# Allegro board RK_NVR_DEMO_RK3568_DDR4P216SD4_V12_20201221YWQ_final.brd (continued)
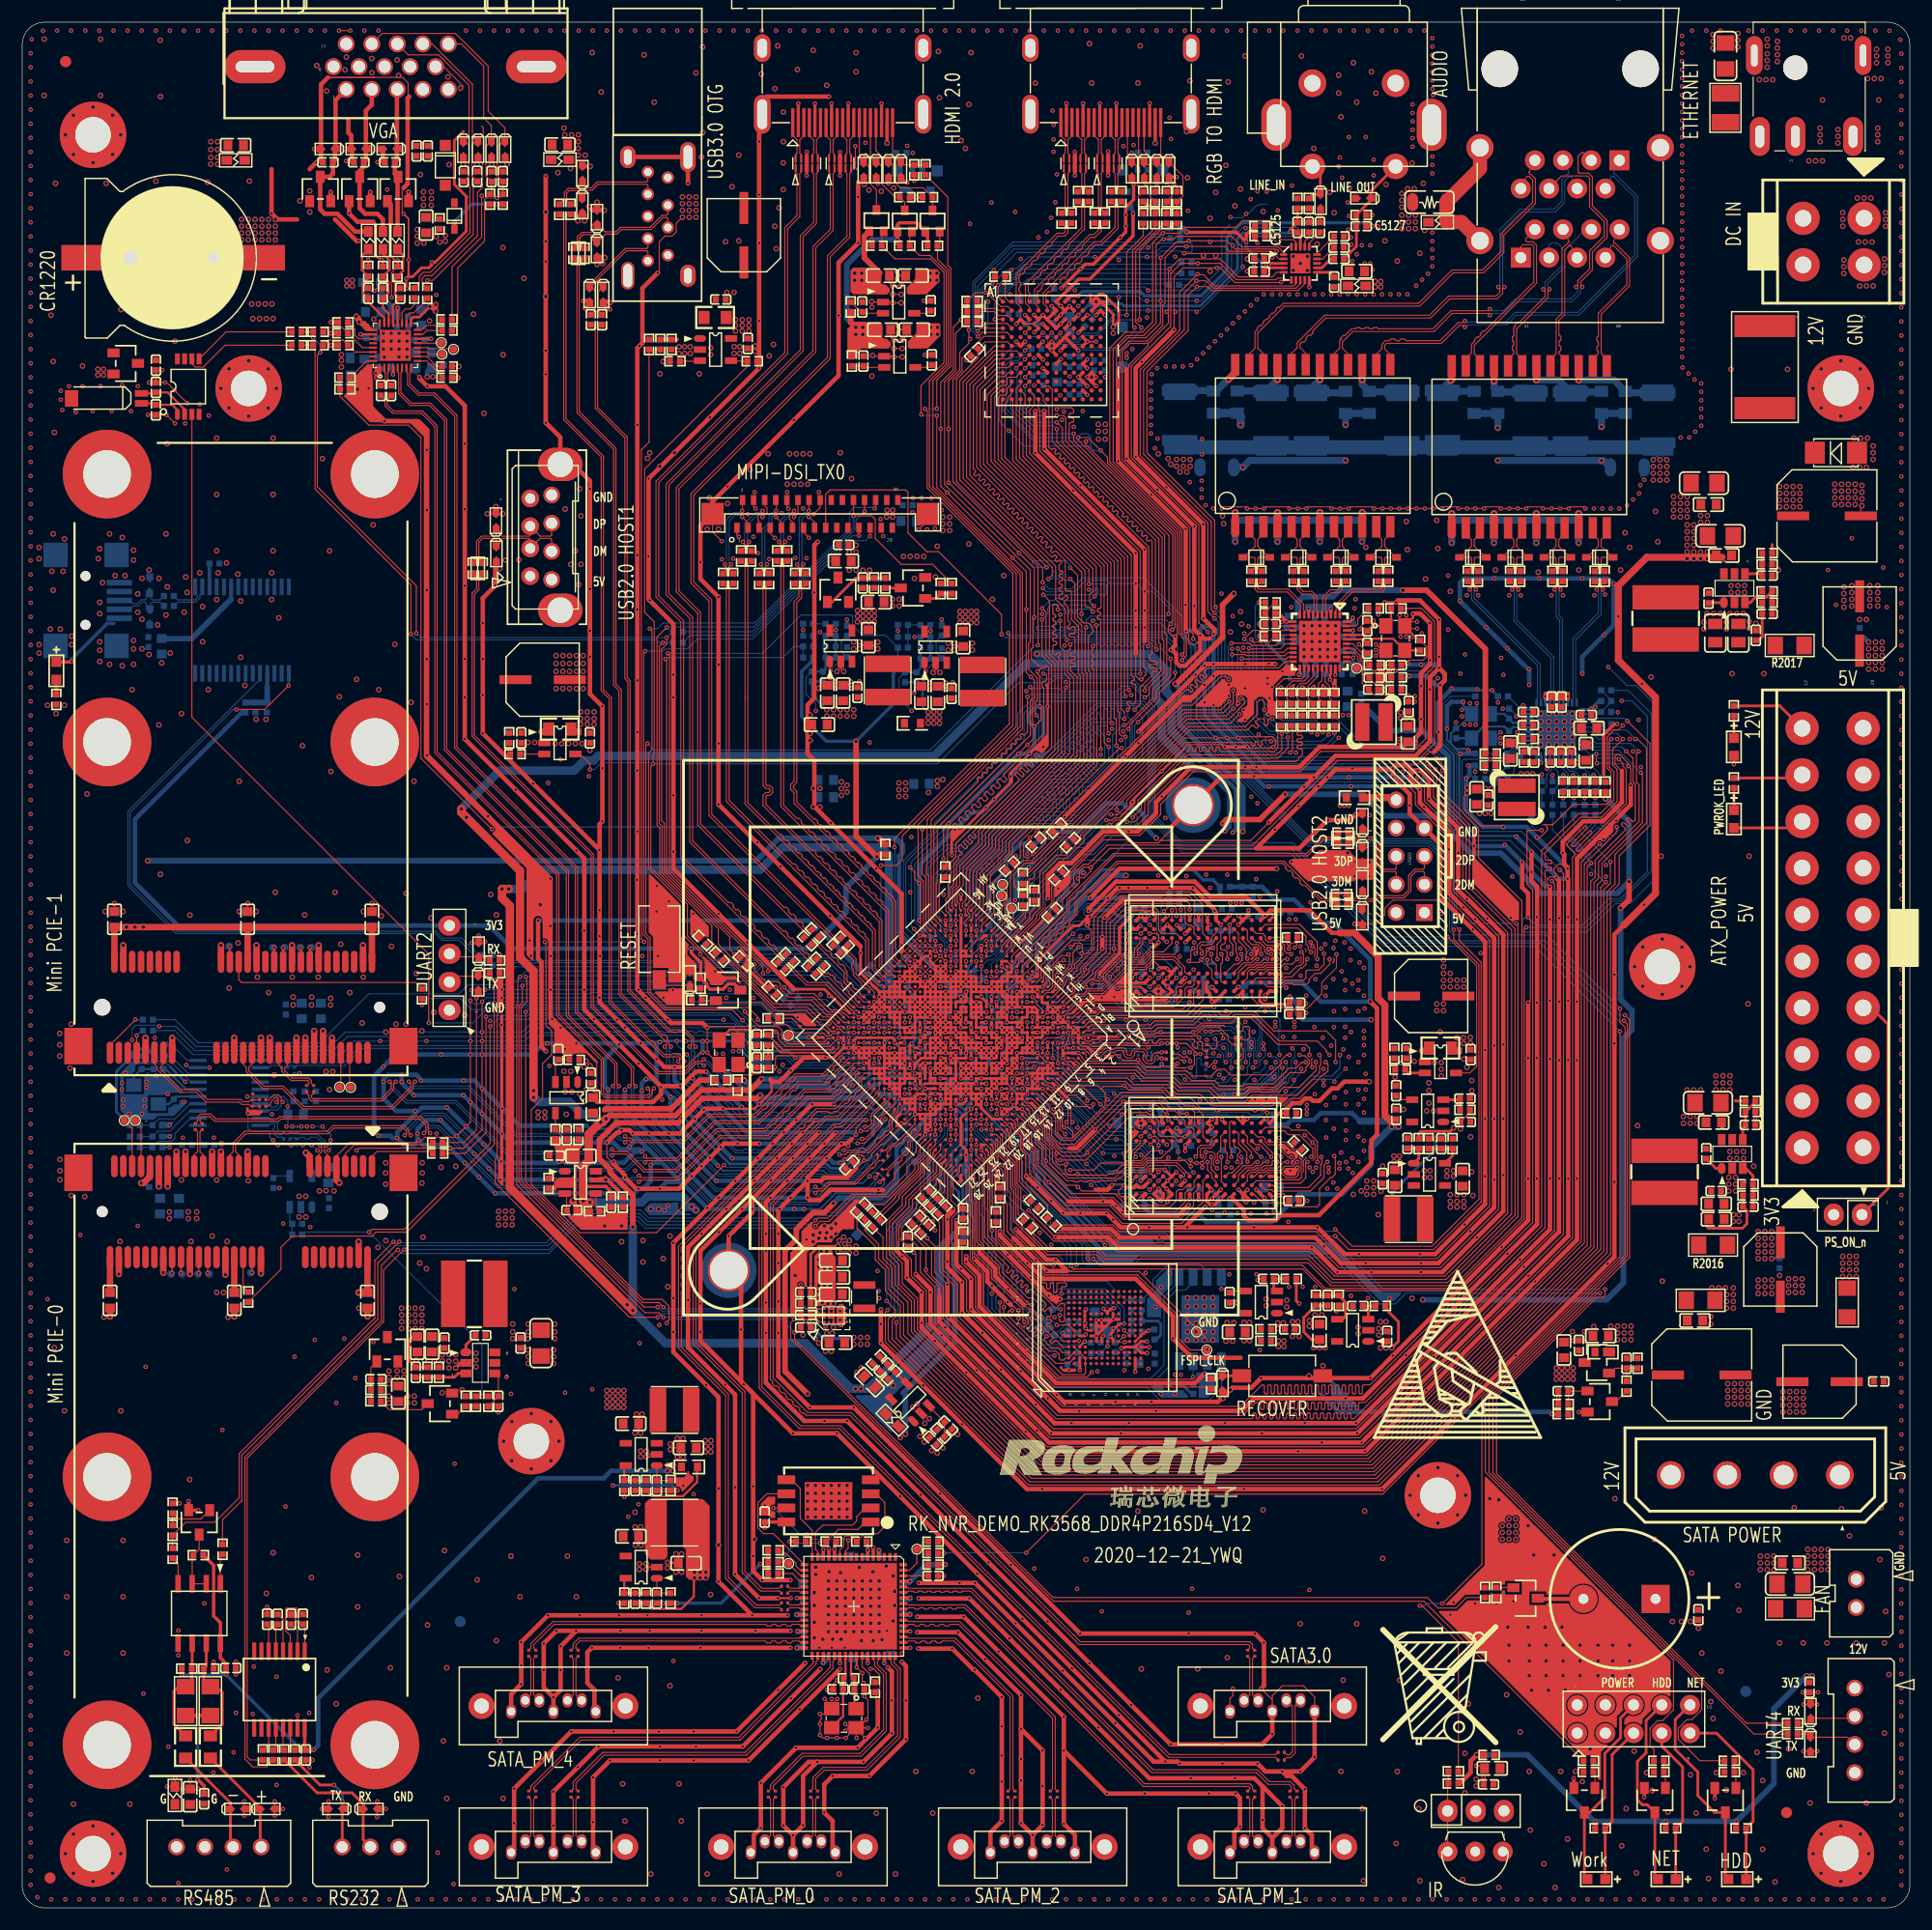
[diagram p0: board, top side]
## Routing (per net, layer and track width the routed paths; a pad name or vN(x,y) marks a point on that pad's centre or on a via; arc(x,y) is an arc through that point) (continued)
VCC1V2_RK61X: length 6
  TOP w0.305: U5100.D10 v1(95.16,141.99) ; U5100.J10 v1(95.16,137.99) U5100.K10 v1(95.96,137.19) ; U5100.D6 91.97,142.77 v1(91.95,142.77) ; U5100.F5 91.96,141.19 v1(91.96,141.19) ; U5100.H7 v1(93.59,139.61) ; U5100.F8 v1(93.56,140.39)
  BOTTOM w0.305: C5102.1 95.27,142.06 95.24,142.06 v1(95.16,141.99) ; v1(91.95,142.77) C5101.1
  vias: v2(81.84,142.47) v2(81.84,141.83) v2(82.47,142.47) v2(82.47,141.83)
VCC3V3_ATX: length 59
  TOP w0.102: v2(122.38,50.47) 122.38,50.5 122.99,51.1 122.99,51.26 ; R3325.1 130.45,71.7 C3322.1
  TOP w0.203: U2104.D1 U2104.D2 U2104.E2 ; U2104.D1 U2104.E1 ; U2104.D1 73.5,52.64 73.5,52.64 73.71,52.43 ; 74.32,52.83 74.28,52.79 U2104.E1 ; U2104.E2 U2104.E1 ; U2104.E2 74.16,53.19 74.22,53.14 ; U2104.E1 73.9,52.44
  TOP w0.254: v1(70.6,52.9) 70.15,53.35 R2122.1 ; v2(128.98,70.31) 128.68,70 126.03,70 125.83,69.8 R2102.1 ; v2(123.39,50.47) 124,51.08 124,52.83 122.83,54.01 R2128.1
  TOP w0.406: v1(46.48,89) 46.48,85.55 46.79,85.24 46.79,77.62 v1(47.19,77.22)
  BOTTOM w0.254: C2023.1 157.68,58.57 v2(157.63,58.52)
  BOTTOM w0.305: v2(74.93,51.41) 74.83,51.31 72.19,51.31 v1(70.6,52.9) ; R2108.1 v1(74.31,116.12) ; R2106.1 v1(82.85,116.15)
  BOTTOM w0.406: v1(46.48,89) 70.84,89 R1205.2
  vias: v2(33.05,48.39) v2(33.05,47.83) v2(33.05,47.24) v2(33.78,48.39) v2(33.78,47.83) v2(34.39,48.39) v2(34.39,47.83) v2(46.48,71.73) v2(46.48,71.22) v2(47.09,71.73) v2(47.09,71.22) v2(50.62,75.82) v2(50.83,76.33) v2(51.18,75.9) v2(74.93,50.8) v2(75.26,116.94) v2(75.26,116.43) v2(75.26,115.93) v2(75.54,51.41) v2(75.54,50.8) v2(75.77,116.94) v2(75.77,116.43) v2(75.77,115.93) v2(76.15,51.41) v2(76.15,50.8) v2(76.28,116.94) v2(76.28,116.43) v2(76.28,115.93) v2(76.78,116.94) v2(76.78,116.43) v2(76.78,115.93) v2(80.9,42.49) v2(81.28,42.88) v2(81.28,41.99) v2(84.48,116.87) v2(84.48,116.36) v2(84.48,115.85) v2(84.99,116.87) v2(84.99,116.36) v2(84.99,115.85) v2(85.5,116.87) v2(85.5,116.36) v2(85.5,115.85) v2(86,116.87) v2(86,116.36) v2(86,115.85) v2(122.89,50.47) v2(128.68,64.29) v2(128.68,63.68) v2(128.68,63.17) v2(129.29,64.29) v2(129.29,63.68) v2(129.29,63.17) v2(129.59,70.21) v2(129.9,64.29) v2(129.9,63.68) v2(129.9,63.17) v2(143.13,52.43) v2(143.74,52.43) v2(143.74,51.82) v2(143.74,51.21) v2(144.35,52.43) v2(144.35,51.82) v2(144.35,51.21) v2(144.96,52.43) v2(144.96,51.82) v2(144.96,51.21) v2(156.41,60.96) v2(156.41,60.35) v2(156.41,59.74) v2(156.41,59.13) v2(156.41,58.52) v2(157.02,60.96) v2(157.02,60.35) v2(157.02,59.74) v2(157.02,59.13) v2(157.02,58.52) v2(157.63,60.96) v2(157.63,60.35) v2(157.63,59.74) v2(157.63,59.13)
VCC3V3_DCIN: length 6.6
  TOP w0.254: 151.74,61.47 151.94,61.26 154.99,61.26 155.4,61.67 155.4,62.85 C2007.1 R2005.1
VCC3V3_FT232_DEBUG: length 2.1
  BOTTOM w0.33: C9104.1 16.88,121.17 U9100.17
VCC3V3_PCIE: length 54.9
  TOP w0.254: 35.31,51.6 34.9,51.2 34.9,49.29 C8517.1 R8532.1
  TOP w0.584: C8531.1 C8532.1 J8501.52 ; C8531.1 v2(10.92,88.4) v2(10.16,88.4) v2(9.4,88.4) C8524.1 J8501.2 ; C8531.1 J8501.24 ; J8501.41 v2(27.11,79.04) ; J8500.39 v2(13.11,65.02) ; C8530.1 J8500.52 ; C8529.1 J8500.24 ; C8528.1 J8500.2 ; J8501.39 v2(26.31,79.04) ; J8500.41 v2(12.31,65.02)
  TOP w0.635: v2(30.33,55.46) C8528.1
  vias: v2(17.53,55.47) v2(18.14,55.46) v2(34.19,54.05) v2(34.19,53.44) v2(34.19,52.83) v2(34.19,52.22) v2(34.8,54.05) v2(34.8,53.44) v2(34.8,52.83) v2(34.8,52.22) v2(35.41,54.05) v2(35.41,53.44) v2(35.41,52.83) v2(35.41,52.22) v2(36.02,54.05) v2(36.02,53.44) v2(36.02,52.83) v2(36.02,52.22)
VCC3V3_PHY0: length 4.7
  TOP w0.102: v1(133.35,103.5) 133.38,103.5 133.46,103.59 134.01,103.59
  TOP w0.305: v1(135.23,108.41) 135.23,107.82 C6718.1
  BOTTOM w0.254: U6700.29 v1(136.85,103.23) ; v1(141.33,108.07) 141.27,108.02 U6700.11 ; U6700.40 135.48,108.02 135.23,108.28 v1(135.23,108.41)
  BOTTOM w0.305: R6738.1 142.06,108.79 141.35,108.07 v1(141.33,108.07)
  vias: v1(141.73,108.23)
VCC3V3_PHY1: length 3.9
  TOP w0.254: U6800.40 119.63,115.95 119.89,116.2 v1(119.89,116.28) ; U6800.11 v1(113.92,115.95) ; U6800.29 v1(118.32,111.15)
  TOP w0.305: R6838.1 113.18,116.71 113.92,115.97 v1(113.92,115.95)
  BOTTOM w0.305: v1(119.89,116.28) 119.89,115.75 C6818.1
  vias: v1(113.51,115.93) v1(121.82,111.43)
VCC3V3_PI6C: length 10
  BOTTOM w0.254: R8512.1 8.48,75.36 8.48,71.77 R8506.1
  BOTTOM w0.305: R8512.1 9.91,77.01 10.31,77.42 11.31,77.42 R8513.1
VCC3V3_PMUIO: length 156.8
  TOP w0.254: v1(79.04,78.44) U1000.Y20 U1000.W19
  TOP w0.305: v1(62.13,86.46) 62.51,86.08 R2301.1 ; v1(60.3,86.46) 60.3,86.06 61.13,85.22 R1203.1 61.14,83.79 61.66,83.27 61.66,83.11 61.96,82.8 63.14,82.8 63.62,83.28 64.16,83.28 U1201.3 ; v1(64.6,86.46) 64.6,86.46 65.3,85.77 65.3,85.03 R1210.1 65.29,84.72 67.07,82.94 R1209.1 67.33,83.01 v1(67.92,83.01)
  TOP w0.508: R1206.1 77.22,94.95 v2(77.01,94.74) 75.13,96.62 v2(75.13,105.16)
  BOTTOM w0.203: C1203.1 79.1,79.09 78.49,79.71 78.49,81.93 77.06,83.36
  BOTTOM w0.254: v1(67.92,83.01) 67.92,82.65 R1207.1 R1208.1 ; C1203.1 79.1,78.5 v1(79.04,78.44) C1210.1 ; 77.06,83.42 77.06,83.36
  BOTTOM w0.305: R2110.1 79.8,112.59 78.49,111.28 78.49,108.51 v2(75.13,105.16) 72.47,105.16 70.23,107.39 70.23,111.46 71.26,112.49 R2112.1
  BOTTOM w0.406: R9102.1 19.79,107.75 10.16,98.12 10.16,92.41 14.03,88.54 J9100.4 42.07,88.54 44.15,86.46 v1(60.3,86.46) v1(62.13,86.46) v1(64.6,86.46) 70.93,86.46 R1205.1 ; 76.36,84.12 77.06,83.42
  BOTTOM w0.508: v2(77.01,94.74) 74.22,91.95 74.22,89.75 R1205.1 72.39,87.68 75.95,84.12 76.36,84.12
VCC3V3_RK61X: length 20.1
  TOP w0.102: 81.12,147.12 81.53,146.71 v2(81.79,146.71) ; 81.12,147.12 81.31,147.12 81.53,147.35 v2(81.79,147.35) ; 81.12,147.12 C5110.1
  TOP w0.305: U5100.B8 v1(93.56,144.39) U5100.A7 95.19,146.82 96.2,146.82 100.09,150.71 v1(100.09,152.73) ; U5100.B8 v1(93.56,143.59) U5100.C7 ; U5100.B8 v1(94.36,144.39) U5100.B9 ; U5100.J6 v1(91.97,138.78) ; v1(95.96,139.59) U5100.H10 v1(95.96,138.79) ; U5100.G5 v1(91.99,139.56) ; U5100.C4 v1(90.36,143.59)
  BOTTOM w0.305: D5100.1 100.09,152.94 v1(100.09,152.73)
  vias: v1(99.52,140.13) v1(99.52,139.73) v2(82.42,147.35) v2(82.42,146.71)
VCC3V3_SATAPM: length 36.8
  TOP w0.102: 60.72,39.74 60.81,39.65
  TOP w0.203: R8312.1 v1(59.03,27.46) ; 60.81,39.65 60.81,38.38 59.54,37.11 56.73,37.11 R8310.1 C8329.1
  TOP w0.254: R8321.1 76.18,32.93 v1(76.18,32.23) ; R8320.1 73.18,32.85 v1(73.18,32.31) ; R8322.1 v1(69.14,33.02)
  TOP w0.305: R8307.1 R8306.1 v1(67.21,31.68) R8305.1 ; U8300.38 v1(73.68,22.05) ; U8301.8 C8313.1 v1(66.9,34.24) ; U8300.12 v1(73.18,32.31) ; U8300.61 v1(80,29.43) ; U8300.49 v1(80.01,23.43) ; U8300.26 v1(69.77,26.43) ; U8300.43 v1(76.18,22.07) ; U8300.32 v1(69.82,23.43) ; R8300.1 v1(83.18,30.95) ; U8300.55 v1(80.01,26.43) ; U8300.6 v1(76.18,32.23)
  BOTTOM w0.305: v1(66.5,30.99) 62.97,27.46 v1(59.03,27.46)
  BOTTOM w0.508: v1(83.18,30.95) 81.51,30.95 v1(80,29.43) 79.9,29.34 C8332.1 ; C8337.1 69.93,23.5 69.87,23.43 v1(69.82,23.43) ; v1(80.01,26.43) 79.97,26.47 C8340.1 ; v1(69.77,26.43) 69.85,26.43 69.86,26.44 C8339.1
  vias: v2(61.54,42.11) v2(61.54,41.61) v2(61.54,41.1) v2(62.05,42.11) v2(62.05,41.61) v2(62.05,41.1)
VCC3V3_VGA: length 6.2
  TOP w0.203: U5900.26 v1(30.48,141.84) ; U5900.14 v1(36.83,141.44)
  TOP w0.406: R5900.1 v1(27.81,141.93) ; R5902.1 v1(27.81,142.93) ; R5901.1 v1(27.81,140.86) ; R5910.1 v1(39.29,137.93)
  BOTTOM w0.203: C5900.1 30.83,141.49 v1(30.48,141.84)
  BOTTOM w0.406: v1(36.83,141.44) 36.52,141.44 36.42,141.34 C5918.1
VCC5V0_ATX: length 12.2
  TOP w0.254: R8309.1 v1(59.05,37.62)
  TOP w0.508: 77.28,147.35 75.88,148.74 75.88,150.67 76.32,151.12 Q5002.1
  BOTTOM w0.254: v1(59.05,37.62) 58.61,38.07 v1(53.21,38.07)
  BOTTOM w0.406: v2(166.37,114.1) 166.01,114.46 C2025.1
  vias: v2(37.31,150.65) v2(37.62,150.14) v2(38.13,150.75) v2(38.13,150.24) v2(42.93,62.79) v2(42.93,62.18) v2(42.93,61.57) v2(43.54,62.79) v2(43.54,62.18) v2(43.54,61.57) v2(44.15,62.79) v2(44.15,62.18) v2(44.15,61.57) v2(50.31,107.8) v2(50.31,107.19) v2(50.31,106.69) v2(50.92,107.8) v2(50.92,107.19) v2(50.92,106.69) v2(51.53,107.8) v2(51.53,107.19) v2(51.53,106.69) v2(52.68,46.63) v2(52.68,46.13) v2(52.68,45.62) v2(52.68,45.11) v2(53.19,46.63) v2(53.19,46.13) v2(53.19,45.62) v2(53.19,45.11) v2(53.7,46.63) v2(53.7,46.13) v2(53.7,45.62) v2(53.7,45.11) v2(54.2,46.63) v2(54.2,46.13) v2(54.2,45.62) v2(54.2,45.11) v2(64.26,143.15) v2(64.26,142.65) v2(64.26,142.14) v2(64.87,143.15) v2(64.87,142.65) v2(64.87,142.14) v2(65.48,143.15) v2(65.48,142.65) v2(65.48,142.14) v2(75.01,147.35) v2(75.01,146.71) v2(75.64,147.35) v2(75.64,146.71) v2(77.93,125.98) v2(77.88,125.37) v2(78.44,125.98) v2(78.44,125.37) v2(82.96,125.37) v2(82.96,124.76) v2(82.96,124.16) v2(83.57,125.37) v2(83.57,124.76) v2(83.57,124.16) v2(129.26,78.44) v2(129.87,78.44) v2(129.87,77.93) v2(130.48,78.46) v2(130.48,77.95) v2(133.35,34.44) v2(133.35,33.83) v2(133.35,33.22) v2(133.96,35.05) v2(133.96,34.44) v2(133.96,33.83) v2(133.96,33.22) v2(134.57,35.05) v2(134.57,34.44) v2(134.57,33.83) v2(134.57,33.22) v2(164.03,58.72) v2(164.03,58.12) v2(164.03,57.51) v2(164.03,56.9) v2(164.64,58.72) v2(164.64,58.12) v2(164.64,57.51) v2(164.64,56.9) v2(165.25,58.72) v2(165.25,58.12) v2(165.25,57.51) v2(165.25,56.9) v2(166.37,113.49) v2(166.37,112.88) v2(166.37,112.27) v2(166.37,111.66) v2(166.98,114.1) v2(166.98,113.49) v2(166.98,112.88) v2(166.98,112.27) v2(166.98,111.66) v2(167.59,114.1) v2(167.59,113.49) v2(167.59,112.88) v2(167.59,112.27) v2(167.59,111.66)
VCC5V0_DCIN: length 3.8
  TOP w0.254: C2018.1 156.47,114.26 156.78,114.56 C2015.1 R2010.1
VCC5V0_USB30_OTG0: length 1.5
  TOP w0.305: 59.03,141.38 R2510.1 R2500.2
VCC5V0_VGA: length 7.3
  TOP w0.254: 36.9,144.52 36.73,144.52 v2(36.73,144.35) ; 36.9,144.52 v2(37.27,144.52) ; 36.9,144.52 v2(36.73,144.35) ; v2(36.73,144.35) 35.77,143.4 35.24,143.4 35.02,143.18 U5900.17
  TOP w0.381: v2(37.27,144.52) v2(37.27,143.91) 36.84,144.35 v2(36.73,144.35)
  TOP w0.406: D5910.2 v1(27.8,154.67) ; D5912.2 v1(34.81,154.67) 34.81,154.69 ; D5911.2 v1(31.35,154.67)
  vias: v2(36.15,154.68) v2(36.15,154.07) v2(36.15,153.47) v2(36.86,154.68) v2(36.86,154.07) v2(36.86,153.47)
VCC5V_FT232_DEBUG: length 15.6
  TOP w0.305: v1(4.44,112.34) 4.41,112.31 LED9100.1
  BOTTOM w0.305: 8.25,115.77 7.62,115.77 7.62,115.74 4.44,112.56 v1(4.44,112.34)
  BOTTOM w0.33: 18.83,117.96 U9100.20
  BOTTOM w0.508: C9102.1 15.28,114.41 18.83,117.96
VCC5V_HDMI14_TX: length 1.8
  TOP w0.305: v2(102.09,159.08) J5100.18
VCC5V_HDMI_TX: length 1.8
  TOP w0.305: v2(77.93,159.08) J5000.18
VCC12V_ATX: length 8.6
  TOP w0.254: R2004.1 154.39,72.74 154.38,72.75 ; R2020.1 158.35,108.35 J2000.10 ; R2009.1 157.68,122.89
  vias: v2(45.59,50.29) v2(45.59,49.68) v2(45.59,49.07) v2(47.88,50.29) v2(47.88,49.68) v2(47.88,49.07) v2(152.25,55.88) v2(152.6,75.01) v2(152.6,74.37) v2(152.6,73.74) v2(152.86,55.88) v2(153.24,75.01) v2(153.24,74.37) v2(153.24,73.74) v2(153.47,55.88) v2(153.57,55.27) v2(153.57,54.66) v2(153.57,54.05) v2(153.87,75.01) v2(153.87,74.37) v2(153.87,73.74) v2(154.18,55.88) v2(154.18,55.27) v2(154.18,54.66) v2(154.18,54.05) v2(156.62,31.7) v2(156.62,31.09) v2(156.62,30.48) v2(157.23,31.7) v2(157.23,31.09) v2(157.23,30.48) v2(157.84,31.7) v2(157.84,31.09) v2(157.84,30.48) v2(158.34,128.12) v2(158.34,127.51) v2(158.34,126.9) v2(158.34,126.29) v2(158.95,128.12) v2(158.95,127.51) v2(158.95,126.9) v2(158.95,126.29) v2(159.56,128.12) v2(159.56,127.51) v2(159.56,126.9) v2(159.56,126.29) v2(160.17,128.12) v2(160.17,127.51) v2(160.17,126.9) v2(160.17,126.29)
VCC25_DDR: length 106.1
  TOP w0.178: U3300.B1 100.79,83.02 98.79,83.02 v1(98.69,82.92)
  TOP w0.305: v1(112.11,71.16) 112.08,71.14 111.99,71.14 U3301.R9 ; v1(97.08,83.91) 97.08,84.26 98.88,86.05 98.88,88.33 v1(99.98,89.44) ; U3300.R9 v1(111.99,89.42)
  TOP w0.406: 118.72,87.88 118.01,87.88 115.96,89.93 112.5,89.93 v1(111.99,89.42) 110.28,91.14 107.02,91.14 105.65,92.51 98.55,92.51 96.1,90.06 96.1,89.89 v1(96.08,89.87) ; U3301.B1 v1(100.79,63.94)
  TOP w0.635: 123.29,70.92 122.78,71.42 122.78,81.38 122.17,81.99 122.17,85.75 120.04,87.88 118.72,87.88
  BOTTOM w0.254: C3326.1 111.93,89.37 v1(111.99,89.42)
  BOTTOM w0.305: v1(98.69,82.92) 98.14,82.92 C3325.1 98.02,83.24 97.35,83.91 v1(97.08,83.91) ; v1(99.98,89.44) 99.9,89.35 98.76,89.35 98.18,89.94 96.22,89.94 96.15,89.87 v1(96.08,89.87)
  BOTTOM w0.406: v1(112.11,71.16) 112.11,71.02 112.51,70.61 C3328.1 113.95,70.61 114.35,71.02 116.38,71.02 116.99,71.63 119.84,71.63 120.55,70.92 ; 121.56,67.56 121.56,66.95 118.92,64.31 115.04,64.31 112.55,61.82 106.71,61.82 105.95,62.59 101.63,62.59 101.17,63.05 C3327.1 101.17,63.56 v1(100.79,63.94)
  BOTTOM w0.635: 120.55,70.92 123.49,70.92 v2(124,70.41) v2(123.39,70.41) 121.56,68.58 121.56,67.56
VCC_1V8: length 231.7
  TOP w0.254: U1000.U9 86.42,82.11 v1(86.42,82.11) 86.88,81.65 U1000.R9 ; U1000.J21 84.12,72.46 v1(84.12,72.46) 84.79,72.46 85.04,72.71 U1000.H20 ; C2137.1 116.17,51.22 115.47,51.92 115.47,53.2 R2129.1 C2136.1
  TOP w0.305: R2126.1 v1(137.83,44.5)
  TOP w0.406: R6732.1 v2(142.65,99.98)
  TOP w0.508: v2(144.02,90.12) 144.78,90.88 v2(144.78,92.51) ; v2(113.79,100.38) 111.51,98.1 108.51,98.1 v1(108.15,97.74)
  POWER w0.254: v1(86.42,82.11) 86.47,82.17 86.47,82.35 86.88,82.76 v1(86.88,83.49) 87.63,83.49
  POWER w0.305: 91.19,88.85 90.27,87.93 90.27,86.38 88.68,84.79 88.68,84.55 87.63,83.49
  POWER w0.406: 91.19,88.85 94.61,92.28 94.61,93.04 95.87,94.29 98.46,94.29 101.65,97.49 102.89,97.49 103.55,96.82 107.24,96.82 v1(108.15,97.74)
  POWER w0.508: v2(126.19,54.81) 124.92,53.54 119.43,53.54 v2(116.38,50.5) v2(116.89,50.5) v2(117.4,50.5)
  BOTTOM w0.254: v1(84.12,72.46) 84.27,72.31 84.54,72.31 C1510.1 84.59,72.21 85.09,71.7 85.09,68.78 84.58,68.28 84.58,67.77 C1511.1 84.28,67.46 84.28,66.04 84.76,65.56 84.76,62.51 85.29,61.98 85.29,60.99 ; C1604.1 86.4,82.13 v1(86.42,82.11)
  BOTTOM w0.406: v1(86.88,83.49) 86.51,83.86 C1605.1 ; v1(137.83,44.5) 137.62,44.7 118.62,44.7 117.09,46.23
  BOTTOM w0.508: v2(144.02,90.12) 144.02,81.89 145.03,80.87 145.03,79.15 144.27,78.38 144.27,56.34 142.75,54.81 v2(126.19,54.81) ; R6832.1 123.08,106.12 126.14,106.12 128.52,103.74 128.52,98.37 ; 128.52,98.37 128.52,97.08 130.53,95.07 133.22,95.07 136.86,91.44 143.71,91.44 v2(144.78,92.51) 144.78,97.91 142.71,99.98 v2(142.65,99.98) ; 128.52,98.37 128.46,98.44 122.74,98.44 120.8,100.38 v2(113.79,100.38) ; v2(79.58,42.7) 79.58,46.25 79.4,46.43 84.03,51.06 84.03,59.72 85.29,60.99
  vias: v2(79.12,42.39) v2(113.18,51.1) v2(113.18,50.6) v2(113.69,51.1) v2(113.69,50.6)
VCC_3V3: length 399.9
  TOP w0.102: U2300.1 113.1,53.64
  TOP w0.254: R9003.1 v1(141.73,7.8) ; 97.65,52.43 97.28,52.06 ; 97.65,52.43 96.77,52.43 ; 97.65,52.43 98.16,52.93 ; 97.28,52.06 v1(96.77,51.55) ; 97.28,52.06 97.28,52.93 v1(97.23,52.98) ; v1(98.31,53.05) 98.29,53.08 U4000.J10 ; v1(98.31,53.05) 98.27,53.05 98.16,52.93 ; v1(98.31,53.05) U4000.K9 ; R9005.1 v1(148.08,7.8) ; 111.91,147.62 112.11,147.83 U7000.4 ; R2304.1 114.8,54.72 v1(115.06,54.46) ; U1000.V11 84.12,81.65 U1000.V12 ; U1000.V11 85.01,81.65 85.04,81.69 U1000.V10 ; U1000.V11 v1(84.58,82.11) 85.04,82.11 U1000.V10 ; U4000.F5 96.79,51.54 v1(96.77,51.55) ; 111.91,148.64 111.91,148.51 v1(112.31,148.11) 112.44,148.23 U7000.3 ; R9004.1 v1(154.43,7.8) ; U1000.V10 v1(85.04,82.57) ; v1(96.77,51.55) U4000.E6 ; v1(96.77,51.55) 96.77,52.43 ; v1(97.23,52.98) 98.11,52.98 98.16,52.93 ; v1(97.23,52.98) v1(96.77,52.98) 96.77,52.43 ; U1000.P10 v1(87.34,80.27) ; v1(82.74,72.92) U1000.L22 v1(82.28,73.38) U1000.M23 ; U1000.H17 v1(86.88,74.3)
  TOP w0.305: 17.86,23.86 17.86,25.7 17.25,26.31 17.25,30.87 R9502.1 ; 17.86,23.86 U9500.8 ; 17.86,23.86 17.86,22.53 18.35,22.04 C9501.1 v1(18.35,21.04) ; R5002.1 81.57,150.9 Q5001.1 80.58,151.89 79.03,151.89 78.87,151.73 Q5000.1 v1(78.87,150.37) 78.87,150.03 R5000.1 ; R7002.1 110.29,150.82 v1(110.29,150.16) 109.42,151.03 104.95,151.03 v1(104.91,151.07) ; U9501.16 25.46,14.33 C9505.1 v1(26.26,14.23) ; v1(76.55,150.37) R5006.1 ; R9503.1 v1(14.38,21.03)
  TOP w0.406: R9000.1 129.52,11.21 130.51,12.2 130.51,13.24 v2(131.06,13.79)
  TOP w0.508: v2(77.06,96.42) 77.21,96.42 R1206.2 ; v2(109.17,118.47) 108.15,117.45 108.15,114.5 103.99,110.34 v2(103.89,110.34) ; v2(70.76,46.33) 68.73,48.36 68.73,59.23 69.75,60.25 69.75,61.16 71.27,62.69 72.29,62.69 v2(73.1,63.5) ; R6736.1 131.83,113.48 126.54,118.77 v2(124.41,118.77) ; v2(131.06,13.79) 131.07,13.78 R9002.1 ; v2(75.11,142.47) 74.65,142.93 R5125.1
  POWER w0.508: v2(99.46,93.07) 101.29,94.89 107.85,94.89 v2(109.98,97.03)
  BOTTOM w0.089: 85.48,74.28 85.52,74.28 85.94,73.85 85.94,73.82 ; 85.48,74.28 85.83,74.62 86.1,74.62 U1000.H17 86.42,74.3 85.94,73.82 ; 85.48,74.28 84.98,73.77 ; 85.18,73.06 85.49,73.36 ; 85.18,73.06 84.72,72.6 84.45,72.6 84.26,72.78 ; 85.18,73.06 84.91,73.06 84.72,73.24 84.58,73.24 ; 85.49,73.36 85.49,73.39 85.11,73.77 84.98,73.77 ; 85.49,73.36 85.94,73.82 ; v1(82.28,73.38) 82.59,73.38 82.74,73.23 v1(82.74,72.92) ; 84.26,72.78 84.26,73.05 84.45,73.24 84.58,73.24 ; 84.26,72.78 84.19,72.86 83.17,72.86 83.17,72.5 82.85,72.19 ; 84.58,73.24 84.58,73.38 84.98,73.77
  BOTTOM w0.254: v1(110.29,150.16) 110.29,149.63 v1(111.81,148.11) ; C1800.1 85.17,82.7 v1(85.04,82.57) v1(84.58,82.11) 84.45,82.25 84.04,82.25 C1517.1 83.82,82.47 83.82,82.77 ; 96.27,91.74 96.02,91.74 90.93,86.66 90.93,85.67 90.17,84.91 90.17,83.71 89.23,82.78 89.23,82.47 88.85,82.09 88.85,81.48 87.92,80.56 87.92,80.19 C1404.1 87.52,80.09 v1(87.34,80.27) ; v1(86.88,74.3) 86.42,74.3
  BOTTOM w0.305: 18.33,21.04 14.39,21.04 v1(14.38,21.03) ; 18.33,21.04 v1(18.35,21.04) ; 18.33,21.04 25.14,14.23 v1(26.26,14.23)
  BOTTOM w0.406: v2(58.67,39.4) v2(58.14,39.4) 53.06,39.4 52.37,38.71 46.48,38.71 26.67,18.9 26.67,14.64 v1(26.26,14.23) ; v2(36.49,138.01) 36.49,138.53 36.74,138.79 ; 79.3,95.12 78.99,94.82 78.99,87.87 83.2,83.66 83.2,83.39 C1801.1 83.82,82.77 ; 78.79,66.95 78.79,68.48 81.83,71.51 82.18,71.51 82.85,72.19 82.85,72.81 v1(82.74,72.92)
  BOTTOM w0.508: v2(11.3,94.39) 66.16,94.39 68.19,96.42 v2(77.06,96.42) 78.69,96.42 79.3,95.81 79.3,95.12 ; v1(78.87,150.37) v1(76.55,150.37) 74.29,148.11 74.29,143.28 v2(75.11,142.47) ; v2(103.89,110.34) 104.29,109.93 104.29,106.68 109.98,100.99 v2(109.98,97.03) ; 78.79,66.95 78.79,65.43 77.34,63.98 73.58,63.98 v2(73.1,63.5) ; v2(124.41,118.77) 118.69,118.77 118.11,118.19 115.42,118.19 114.91,117.68 R6836.1 ; v1(104.91,151.07) 104.57,151.41 R1905.1 R1906.1 ; v2(99.46,93.07) 97.59,93.07 96.27,91.74 ; v2(161.29,20.9) v2(160.78,20.9) 157.84,17.96 157.84,11.2 v1(154.43,7.8) v1(148.08,7.8) v1(141.73,7.8) 141.61,7.8 135.61,13.79 v2(131.06,13.79)
  vias: v2(6.82,138.68) v2(6.82,138.18) v2(7.32,138.68) v2(7.32,138.18) v2(28.76,140) v2(28.76,139.5) v2(28.76,138.89) v2(29.25,146.71) v2(29.25,146.2) v2(29.75,146.71) v2(29.75,146.2) v2(37.01,138.01) v2(58.14,39.9) v2(58.67,39.9) v2(75.11,141.83) v2(75.74,142.47) v2(75.74,141.83) v2(96.95,133.73) v2(96.95,133.1) v2(96.98,132.38) v2(97.59,133.73) v2(97.59,133.1) v2(97.59,132.38) v2(113.13,52.73) v2(113.11,52.22) v2(113.64,52.73) v2(121.89,146.61) v2(121.89,146.1) v2(122.4,146.61) v2(122.4,146.1) v2(138.22,48.67) v2(138.22,48.16) v2(138.22,47.65) v2(138.73,48.67) v2(138.73,48.16) v2(138.73,47.65) v2(139.24,48.67) v2(139.24,48.16) v2(139.24,47.65) v2(139.74,48.67) v2(139.75,48.16) v2(139.75,47.65)
VCC_DDR: length 106
  TOP w0.254: v1(87.8,76.11) 87.82,76.14 88.23,76.14 ; v1(87.8,76.11) U1000.H14 ; v1(87.8,76.11) 87.77,76.14 U1000.J14 87.34,75.68 ; v1(89.19,78.44) 89.18,78.44 U1000.K10 ; v1(89.19,78.44) U1000.J9 ; v1(89.19,78.44) 89.19,78.89 ; v1(89.19,78.44) v1(89.19,77.52) ; C3339.1 113.28,71.63 112.79,71.14 ; U1000.H14 87.34,75.68 ; U1000.H14 v1(88.26,75.68) 88.26,76.11 88.23,76.14 ; U1000.H14 87.8,75.28 87.73,75.22 U1000.H15 87.34,75.68 ; 88.26,76.6 88.26,76.6 88.26,76.17 88.23,76.14 ; 88.26,76.6 U1000.H12 ; 88.26,76.6 U1000.J12 U1000.H11 89.18,77.51 v1(89.19,77.52) ; 88.26,79.35 U1000.M9 87.8,79.81 U1000.M10 v1(88.26,79.35) 88.26,79.35 ; 88.26,79.35 U1000.L9 ; 88.26,79.35 U1000.L10 v1(88.72,78.89) ; U1000.H12 v1(88.72,76.14) 88.23,76.14 ; U1000.H12 U1000.J11 ; U1000.L9 v1(88.72,78.9) ; U1000.L9 89.18,79.35 89.19,79.34 89.19,78.89 ; v1(88.72,78.89) U1000.K10 ; v1(88.72,78.9) 89.18,78.9 89.19,78.89 ; U1000.J9 v1(90.1,78.44) 90.11,78.44 90.1,78.43 U1000.H9 89.64,77.98 ; U1000.J9 v1(89.64,78.89) 89.63,78.89 89.19,78.89 ; U1000.J9 89.64,77.98 ; U3300.T9 v1(112.79,89.42) ; U3300.J8 106.79,88.42 v1(106.99,88.62) 106.79,88.83 U3300.J9 v1(106.79,89.47) ; U1000.J11 88.72,77.98 ; U1000.J11 v1(89.19,77.52) ; 88.72,77.98 U1000.K10 ; 88.72,77.98 89.64,77.98 ; v1(89.19,77.52) 89.59,77.52 89.64,77.56 89.64,77.98 ; C2104.1 v1(127.33,69.33) R2103.1 ; U3300.R1 111.51,82.54 111.51,81.74 111.79,81.46 114.08,81.46 C3313.1 ; v1(104.04,70.29) U3301.F8 ; v1(100.79,83.82) U3300.B3
  TOP w0.305: 102.39,64.74 U3301.C1 102.49,63.84 102.52,63.84 v1(102.61,63.75) 102.61,63.85 102.79,64.04 U3301.D1 102.39,64.74 ; 102.39,64.74 v1(102.39,64.81) ; v1(100.79,65.54) U3301.B3 ; U3300.L1 107.44,81.67 v1(107.19,81.67) 107.19,81.96 v1(107.09,82.07) 107.09,82.14 106.96,82.27 106.96,82.45 U3300.J1 106.71,82.71 106.71,83.34 U3300.J2 ; U3301.G7 104.81,68.75 v1(104.81,68.75) 104.78,68.72 v1(104.78,68.24) ; U3301.L1 v1(107.99,63.94) 107.44,63.39 v1(107.19,63.39) 107.04,63.39 106.74,63.69 106.74,64.28 U3301.J1 106.79,64.37 v1(107.14,64.72) 107.14,64.79 U3301.J2 ; v1(107.19,71.07) 107.13,71.07 U3301.J9 106.83,70.74 v1(107.19,70.37) 107.19,70.33 U3301.J8 ; v1(111.94,63.98) U3301.R1 v1(111.19,64.74) ; v1(108.79,89.5) 108.79,89.42 U3300.L9 ; U3300.G1 v1(105.19,82.14) ; v1(104.79,83.82) U3300.F2 ; U3301.G1 v1(105.19,63.88) ; U3300.G9 105.19,89.43 105.19,89.43 v1(105.19,89.48) ; U3301.A1 v1(99.99,63.94) ; v1(102.67,71.27) 102.67,70.86 U3301.D9 ; v1(104.81,87.03) 104.81,87.04 U3300.G7 ; v1(108.11,71.07) 108.11,71.02 U3301.L9 ; v1(100.79,82.22) U3300.A1 v1(99.99,82.22) ; U3301.G9 105.27,70.81 v1(105.27,71.19) ; U3300.D9 v1(103.19,89.42) ; U3301.F2 v1(104.79,65.53) ; v1(101.46,89.42) 101.46,89.4 101.19,89.13 U3300.B9 v1(100.79,89.42) U3300.A9 ; U3300.F8 v1(104.04,88.57) ; 112.79,71.14 U3301.T9 ; v1(102.39,83.02) U3300.C1 v1(102.39,82.22) U3300.D1 102.59,82.83 v1(102.39,83.02) ; v1(100.79,70.34) U3301.A9 100.68,71.03 100.68,71.03 v1(100.72,71.06) 100.86,71.06 U3301.B9 v1(100.79,70.34)
  TOP w0.406: v2(121.36,74.47) 119.13,74.47 118.52,73.86 118.01,73.86 116.89,72.75 116.28,72.75 116.08,72.95 115.57,72.95 115.16,72.54 114.45,72.54 113.9,71.99 C3339.1 ; v1(114.21,82.14) C3313.1
  POWER w0.089: 87.47,73.25 87.02,73.7 87.02,73.97 87.21,74.16 87.3,74.16 87.38,74.25 87.47,74.16 87.48,74.16 87.67,73.97 87.67,73.97 88.13,73.51 88.13,73.25 87.94,73.06 87.94,72.78 88.85,71.87 89.65,71.07 90.42,71.07
  POWER w0.305: v1(105.59,87.02) 104.82,87.02 v1(104.81,87.03) ; 105.21,84.23 105.21,84.24 v1(105.54,84.57)
  BOTTOM w0.254: v1(127.33,69.33) 127.33,68.35 v1(123.44,64.47)
  BOTTOM w0.305: v1(100.79,70.34) 100.6,70.34 100.15,70.79 100.42,71.06 v1(100.72,71.06) ; C3317.1 104.85,68.7 v1(104.81,68.75) ; v1(100.79,89.42) 100.79,89.71 C3315.1 101.12,89.84 101.45,89.51 101.45,89.49 101.46,89.47 v1(101.46,89.42) ; v1(100.79,83.82) 100.85,83.88 C3340.1
  BOTTOM w0.406: v1(102.67,71.27) 102.54,71.4 C3343.1 ; v1(105.27,71.19) 105.27,71.14 105.29,71.11 105.29,70.72 C3333.1 105.31,70.59 104.77,70.05 104.52,70.05 104.15,69.68 C3344.1 103.78,70.02 v1(104.04,70.29) ; v1(100.79,65.54) 100.78,65.55 100.78,66.4 C3334.1 ; 107.78,63.49 107.78,64.07 v1(107.14,64.72) ; v1(102.39,64.81) 102.49,64.71 C3341.1 102.49,63.93 102.61,63.82 v1(102.61,63.75) ; v1(114.21,82.14) 114.86,81.48 114.86,80.57 115.37,80.06 v2(121.54,80.06)
  vias: v1(88.28,76.6) v1(108.86,90.58) v1(109.37,90.58) v1(109.88,90.58) v2(120.65,64.62) v2(121.16,65.53) v2(121.16,64.92) v2(121.16,64.31) v2(121.77,65.53) v2(121.77,64.92) v2(121.77,64.31) v2(122.43,64.59)
VCCA3V3_CODEC: length 1.7
  TOP w0.254: C7008.1 117.79,147.43 U7000.11
VCCA3V3_RTD: length 4.1
  TOP w0.203: v1(31.85,138.34) 31.88,138.37
  TOP w0.254: 31.88,138.37 32.22,138.71 ; 31.88,138.37 31.98,138.28 32.14,138.28 ; 31.88,138.37 31.88,138.3 ; 31.88,138.37 31.88,138.86 31.91,138.89 32.18,138.89 U5900.1 32.22,138.71 ; 32.22,138.71 32.22,138.36 32.14,138.28 ; 31.88,138.3 v1(31.85,138.34) ; 31.88,138.3 v1(31.88,137.9) 32.14,138.15 32.14,138.28
  BOTTOM w0.406: 32.39,138.79 32.39,138.74 31.99,138.34 v1(31.85,138.34)
VCCA3V3_RTD_DAC: length 5.9
  TOP w0.203: U5900.20 v1(33.82,144.22)
  BOTTOM w0.508: FB5903.2 32.36,146.51 C5922.1 32.51,145.11 33.2,144.42 33.2,144.02 C5923.1 33.82,143.49 v1(33.82,144.22)
VCCA_1V8: length 374.4
  TOP w0.203: C2140.1 77.32,47.38 C2139.1 R2131.1
  TOP w0.254: U1000.W18 80.9,79.35 v1(80.91,79.35) 80.91,79.81 U1000.Y17 ; v1(87.34,79.35) 87.34,79.43 U1000.N10 ; U1000.Y21 v1(79.48,77.98) ; v1(81.36,73.84) 81.92,73.84 U1000.M22 ; U1000.H22 v1(84.12,71.54)
  TOP w0.305: R1500.1 v1(84.79,61.52)
  TOP w0.508: v2(66.5,73.25) 66.21,72.96 61.28,72.96 v2(59.49,71.17) 59.49,71.12 59.13,70.76 53.54,70.76 51.99,69.21 51.99,67.54 52.98,66.55 52.98,66.27 55.02,64.24 v2(55.02,61.37)
  TOP w0.762: v2(43.84,91.85) v2(43.23,91.85) 43.23,91.03 43.94,90.32 43.94,64.92 v2(54.51,54.36) v2(55.02,53.85)